# Altium PCB 400236.PcbDoc (part 1 of 4)
Units mil, origin at the board's own origin, x right, y up, seen from the top; angles counter-clockwise.
Board outline 5300 x 2500 mil, 4 copper layers (Top Layer, Mid-Layer 1, Mid-Layer 2, Bottom Layer), stack 59.252 mil thick; 300 components, 217 nets, 1310 pads, 1271 vias.
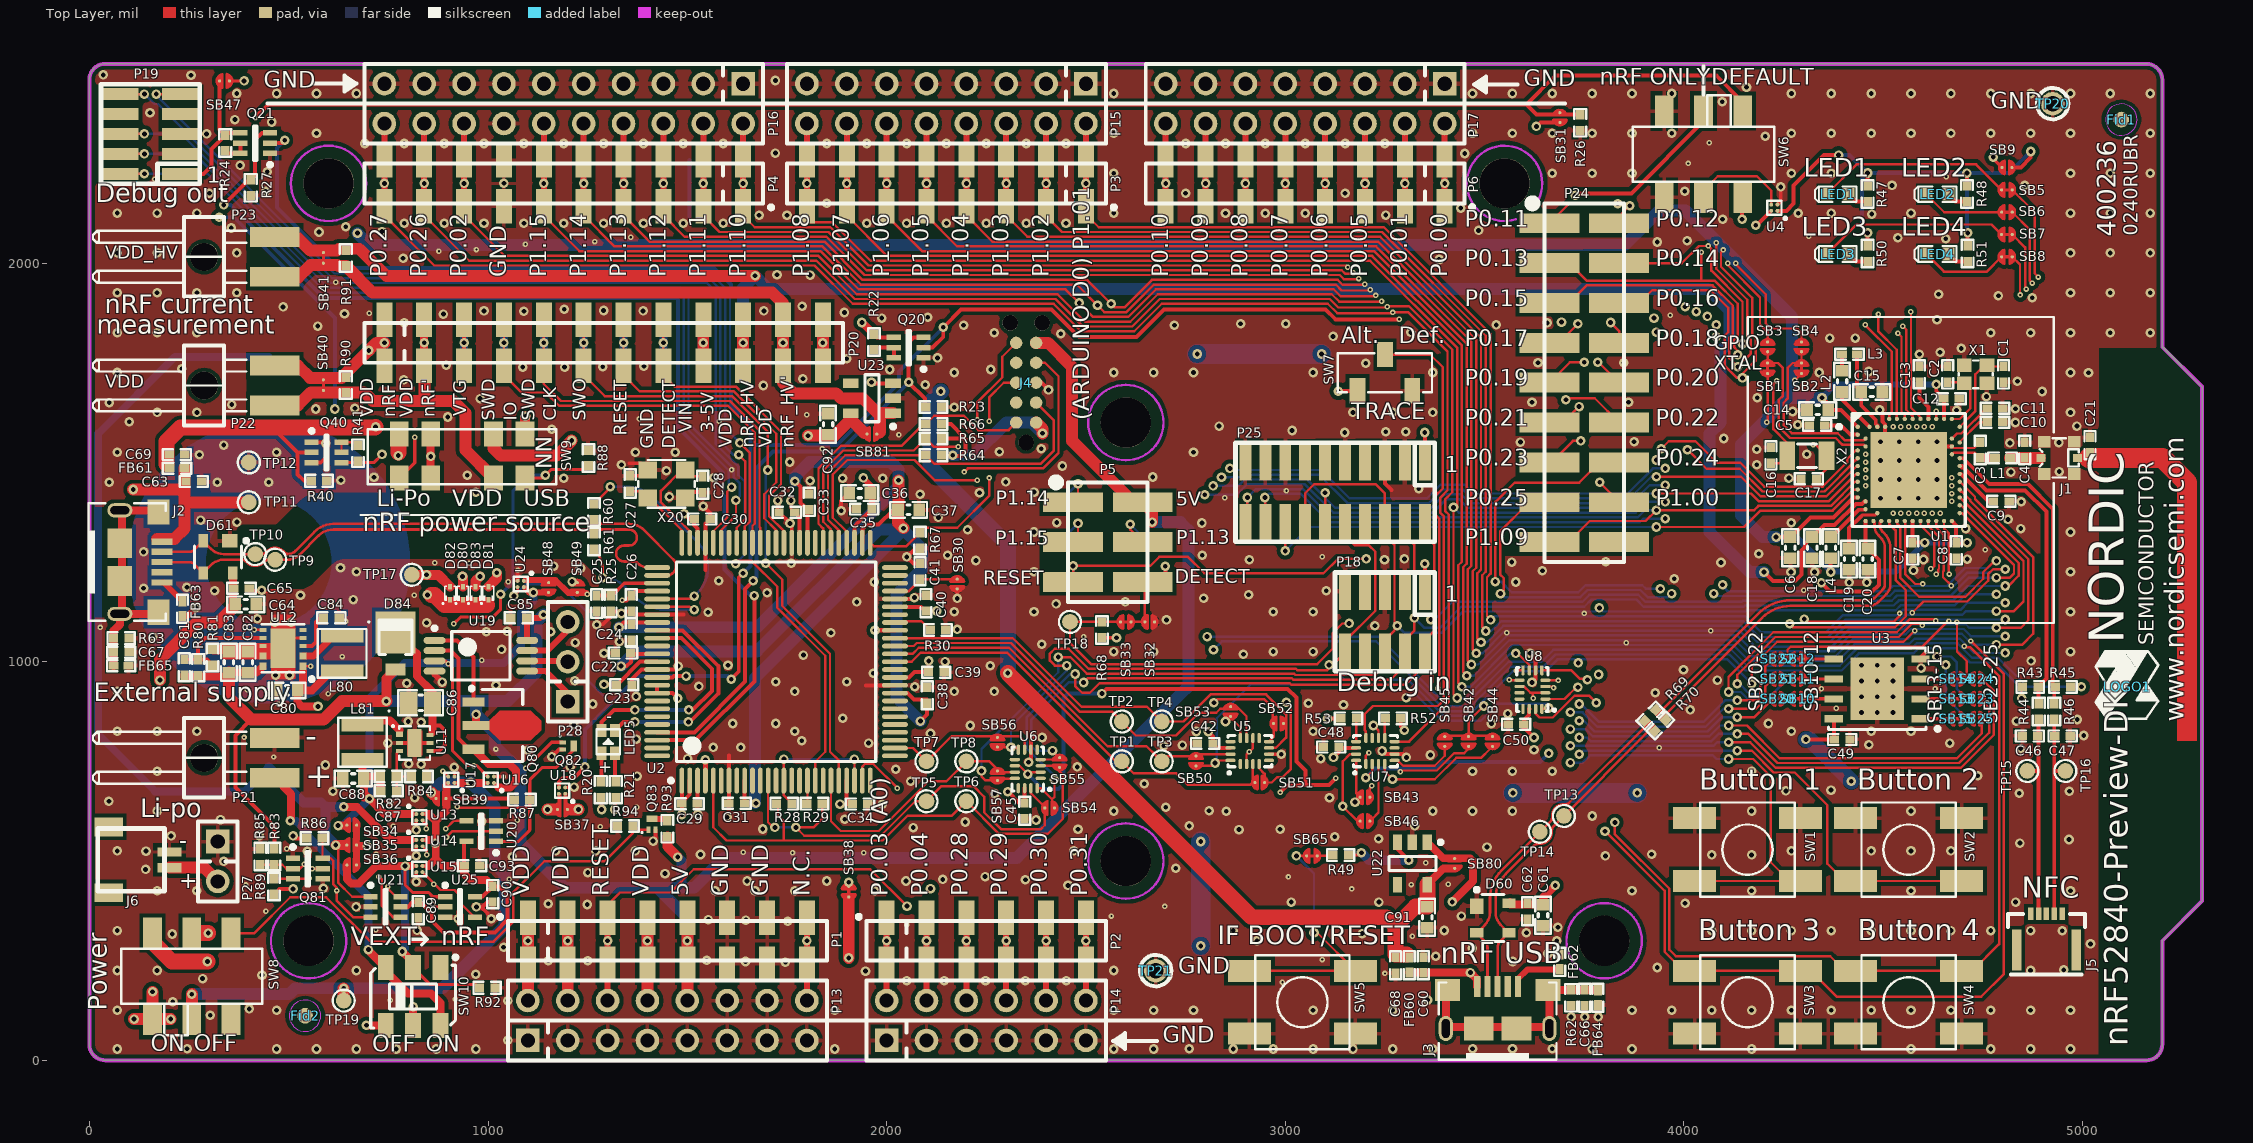
[diagram p0: Top Layer view]
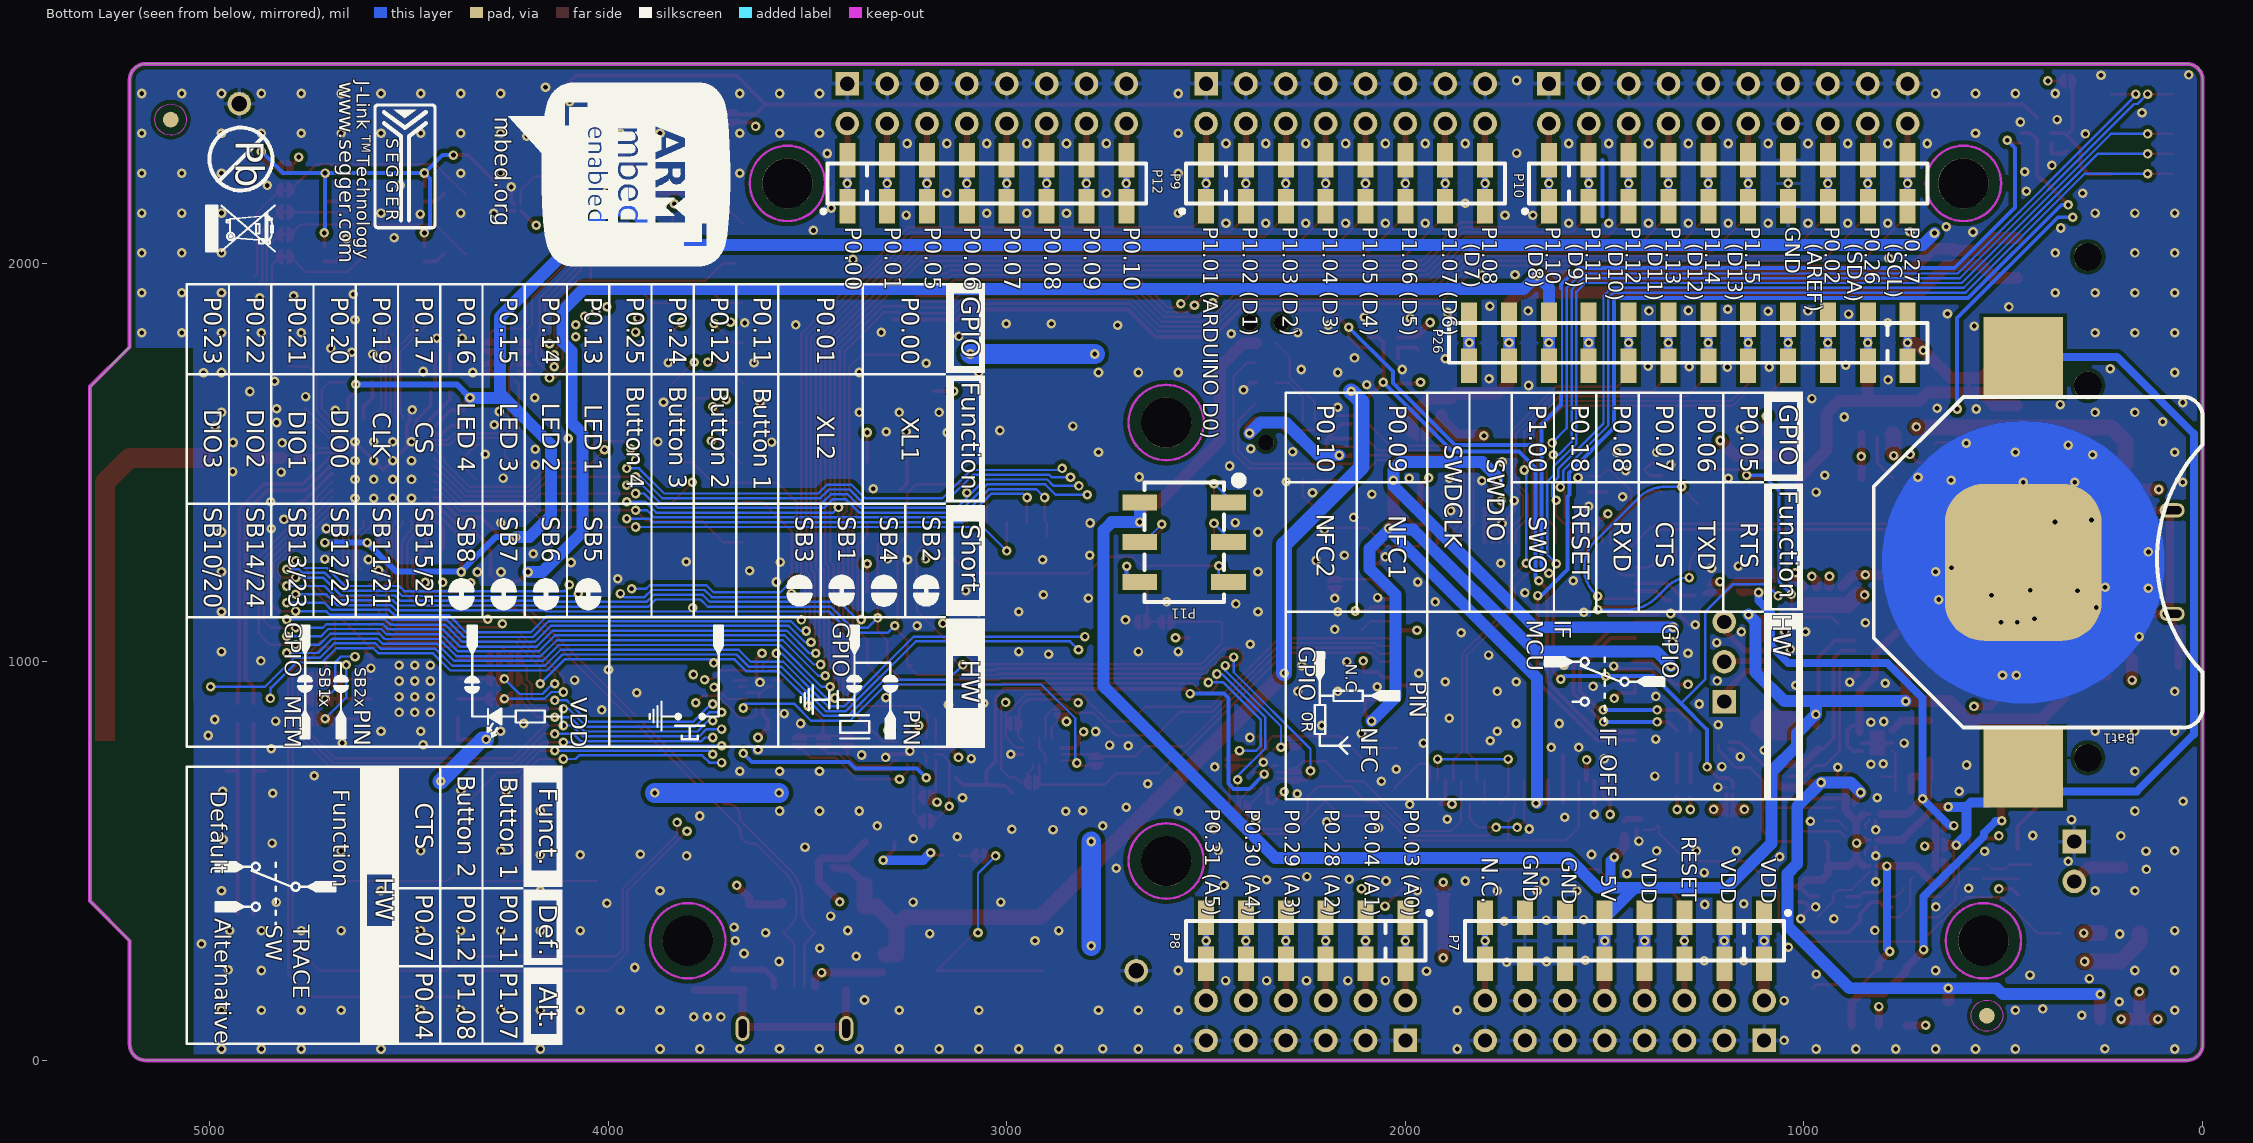
[diagram p1: Bottom Layer view, seen from below]
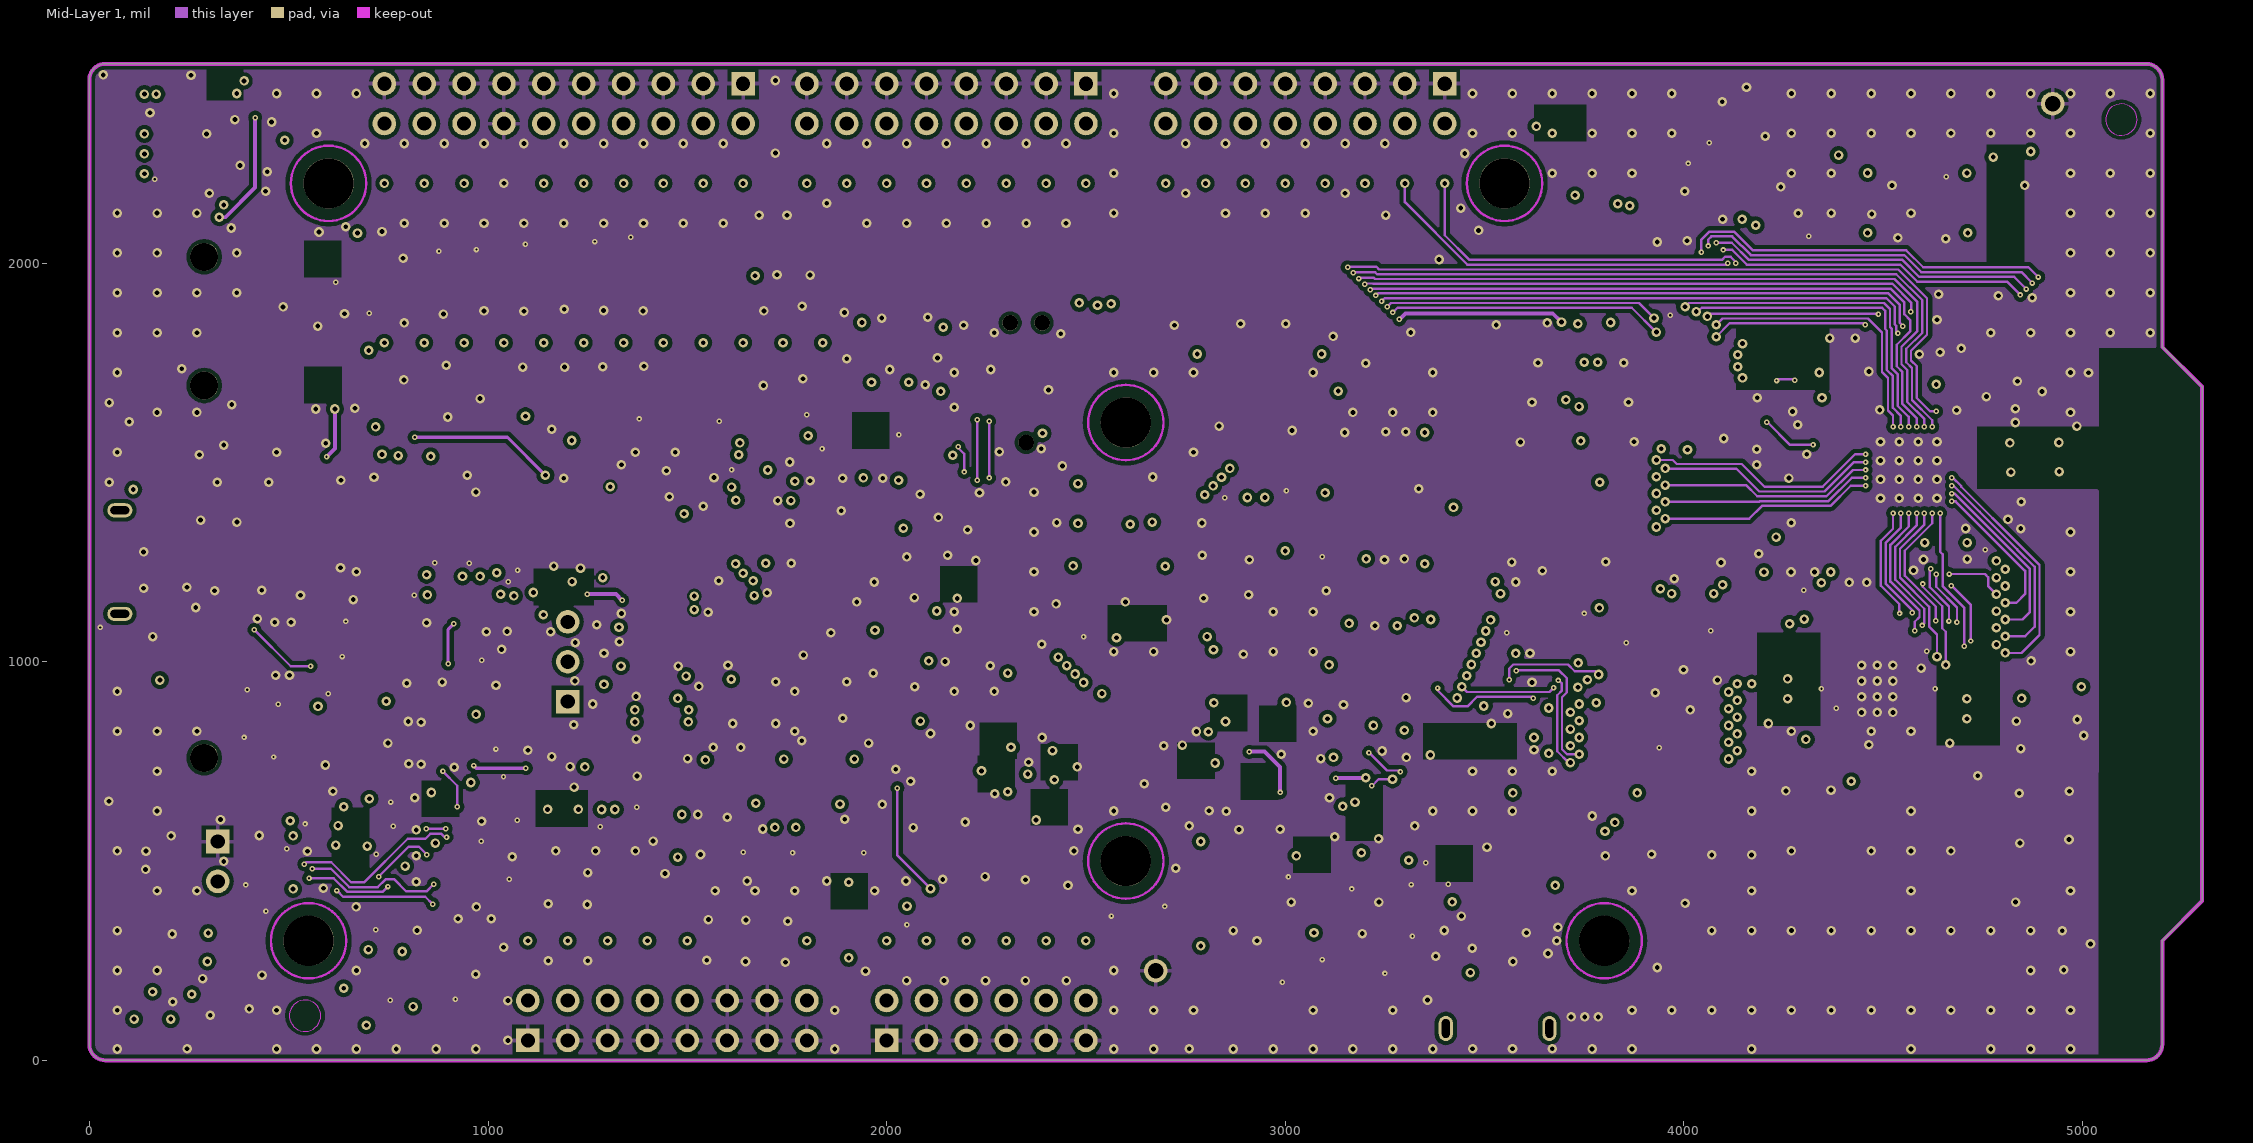
[diagram p2: Mid-Layer 1]
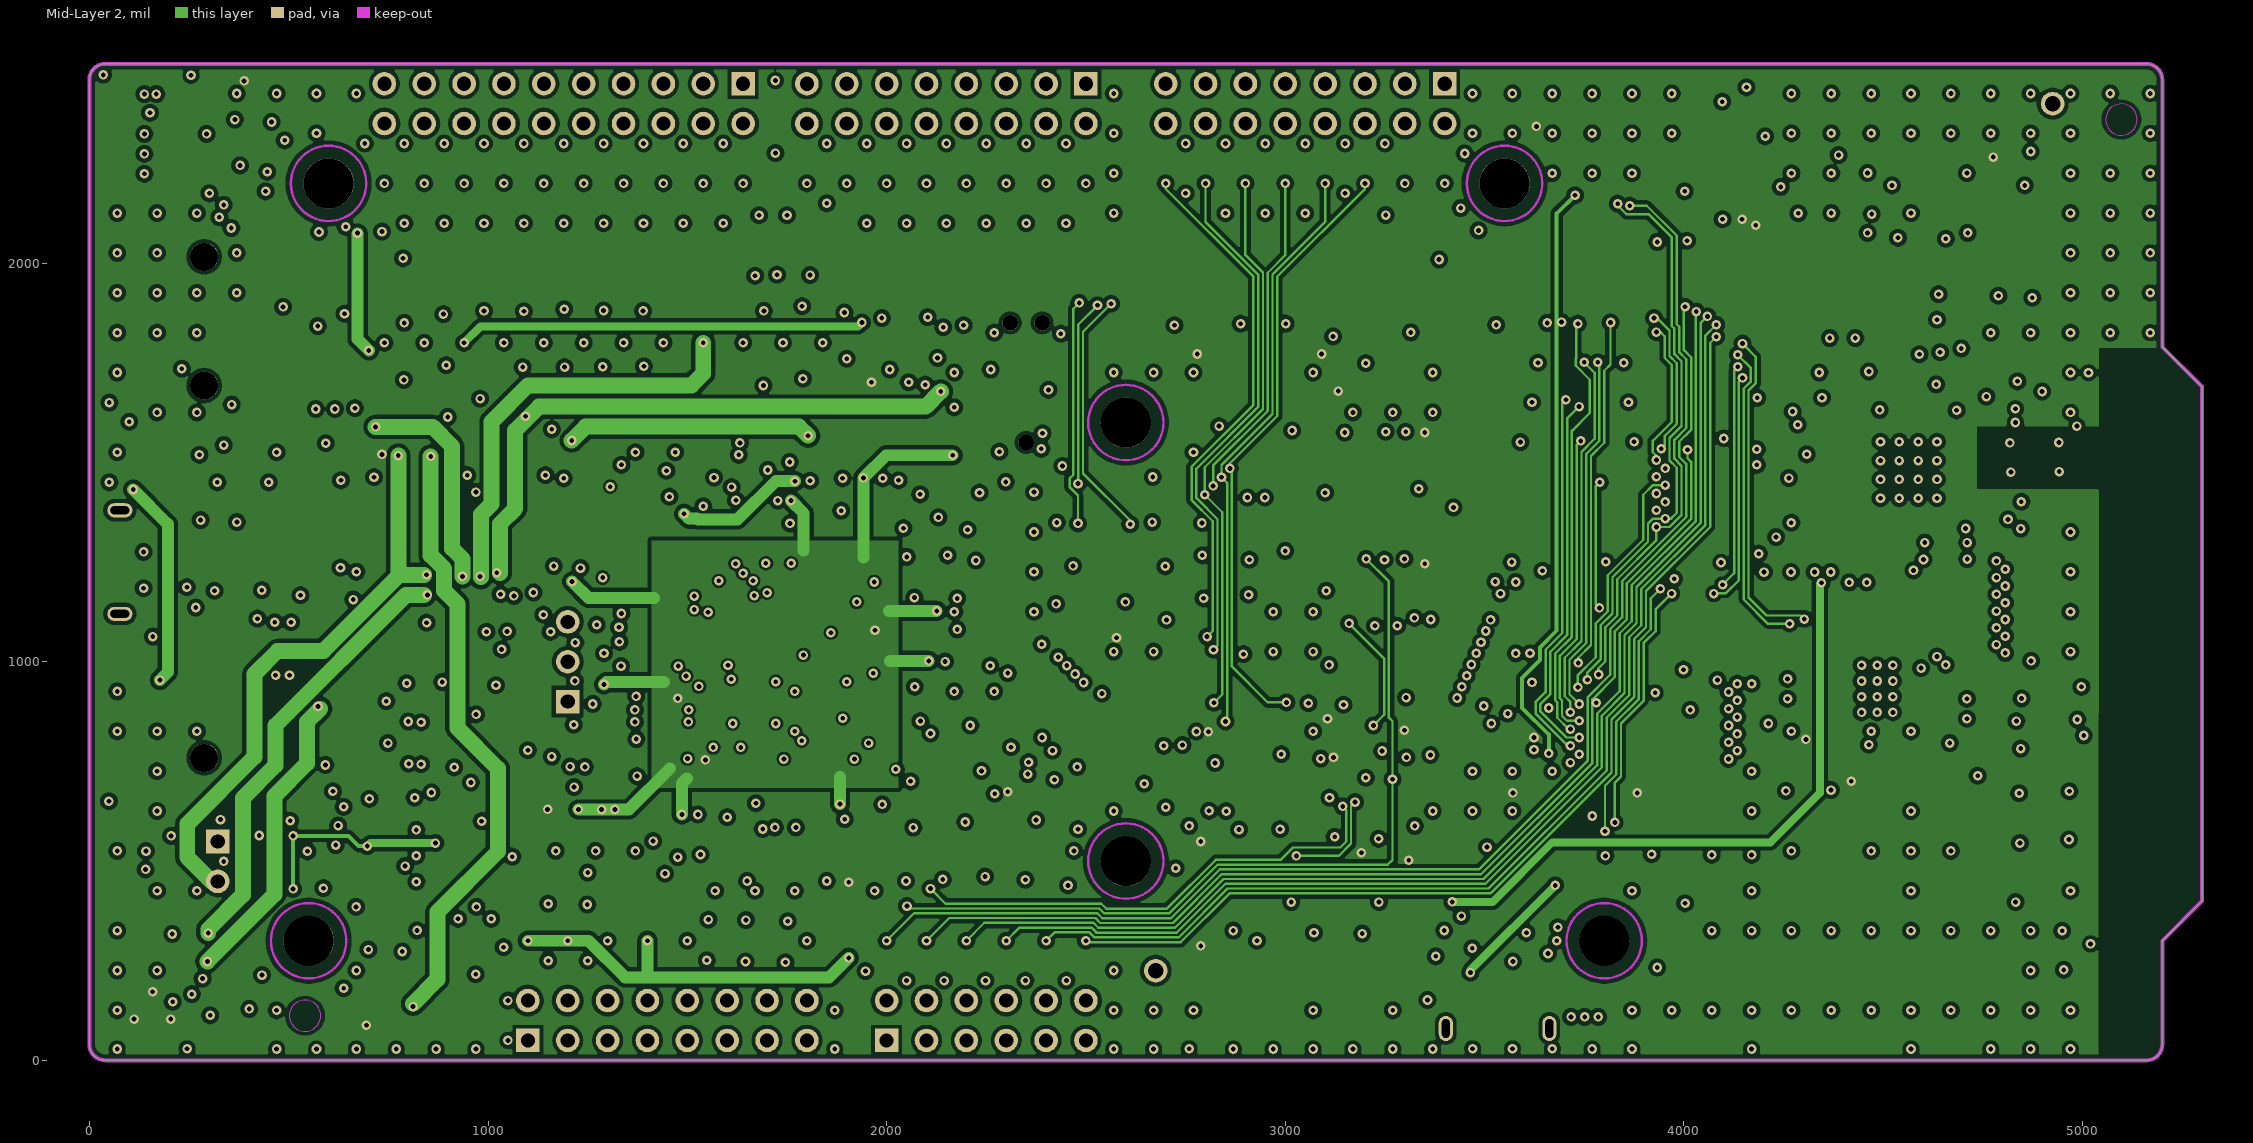
[diagram p3: Mid-Layer 2]
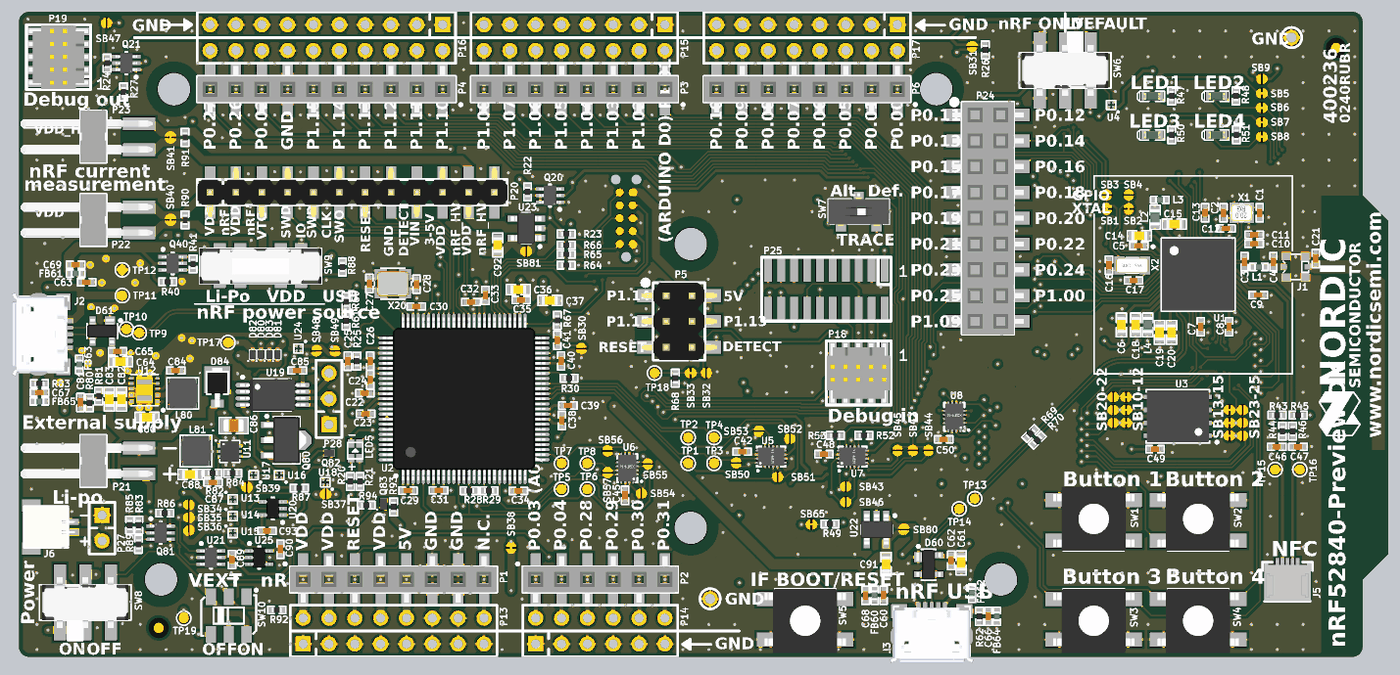
[diagram p7: 3D render of the assembled board from above, using the file's embedded part models]

## Layer stack, top to bottom
Top Solder: solder mask 1.8701, Solder Resist, Dk 3.5
Top Layer: signal copper 0.689
Dielectric1: prepreg 3.937, FR-4, Dk 3.72
Mid-Layer 1: signal copper 1.378
Dielectric2: core 47.2441, FR-4, Dk 3.72
Mid-Layer 2: signal copper 1.378
Dielectric3: prepreg 3.937, FR-4, Dk 3.72
Bottom Layer: signal copper 0.689
Bottom Solder: solder mask 1.8701, Solder Resist, Dk 3.5

## Board outline
0,40 0,2461 cw(c39.5,2460.5) 40,2500 5160,2500 cw(c5160,2460) 5200,2460 5200,1790 5300,1690 5300,400 5200,300 5200,40 cw(c5160.5,39.5) 5161,0 40,0 cw(c40,40)

## Design rules (kind name [scope] priority, off if disabled: settings)
Clearance USB_Poly_Clearance [(InNamedPolygon('Top_Layer-GND')) vs (OnLayer('Mechanical 3'))] p1: gap=10
Clearance "NPTH clearance" [Not PadIsPlated And HoleSize > 0] p2: gap=9
Clearance USB_Clearance [(InDifferentialPairClass('All Differential Pairs'))] p3: gap=6
Clearance ANT_Clerance [InNet('ANT') or InNet('RF')] p4: gap=8
Clearance Polygon_Clearance [(InNamedPolygon('Top_Layer-GND')) or (InNamedPolygon('Bottom_Layer-GND')) or (InNamedPolygon('Mid_Layer_1-GND')) or (InNamedPolygon('Mid_Layer_2-VDD'))] p5: gap=10
Clearance SB_Clearance [HasFootprint('Solderbridge') or HasFootprint('QFN40P180X140X55-10N')] p6: gap=5
Clearance CSP_Clearance [HasFootprint('BGA4C40P2X2_76X76X62')] p7: gap=5
Clearance P23_Clearance [HasFootprint('FPC_05P-0.5mm-RA-SMD')] p8: gap=5
Clearance PSON35P100X50-8N_Clearance [HasFootprint('PSON35P100X50-8N')] p9: gap=5.91
Clearance Top_layer_Clearance [All vs OnLayer('Top Layer')] p10: gap=5.71
Clearance [All] p11: gap=5.91
ComponentClearance [All] p1 off: gap=10 collisioncheckmode=3 verticalgap=10 showdistances=FALSE
DiffPairsRouting [All] p1: maxlimit=10 minlimit=7.5 mostfreqgap=7.6 toplayer_minwidth=6.5 toplayer_maxwidth=6.5 toplayer_prefwidth=6.5 midlayer1_minwidth=6.5 midlayer1_maxwidth=6.5 midlayer1_prefwidth=6.5 midlayer2_minwidth=6.5 midlayer2_maxwidth=6.5 midlayer2_prefwidth=6.5 bottomlayer_minwidth=6.5 bottomlayer_maxwidth=6.5 bottomlayer_prefwidth=6.5 maxuncoupledlength=500
FabricationTestPointUsage TestPointUsage [All] p1: valid=0 allowmultiple=FALSE
FabricationTestpoint Testpoint [All] p1: side=3 testpointundercomponent=TRUE minsize=40 maxsize=100 preferedsize=60 minholesize=0 maxholesize=40 preferedholesize=32 testpointgrid=1 allowsidetop=TRUE allowsidebottom=TRUE usegrid=TRUE gridtolerance=0.01
Height [All] p1 off: minheight=0 maxheight=1000 prefheight=500
HoleSize [All] p1: absolutevalues=TRUE maxlimit=196.85 minlimit=5.91 maxpercent=80.000 minpercent=20.000
MinimumAnnularRing [All] p1 off: minimumring=6
NetAntennae NetAntennae_ANT [InNet('ANT')] p1: netantennaetolerance=1574.8
NetAntennae [All] p2: netantennaetolerance=0
PolygonConnect PolygonConnect_1 [isVia and innet(gnd) or isVia and innet('VDD') or HasFootprint('COAXIAL-SWF') or isVia and innet('VDD_SAM')] p1: connectstyle=Direct reliefconductorwidth=10 reliefentries=4 polygonreliefangle="90 Angle" airgapwidth=10
PolygonConnect [All] p2: connectstyle=Relief reliefconductorwidth=10 reliefentries=4 polygonreliefangle="90 Angle" airgapwidth=10
RoutingVias [All] p1: holewidth=12 width=24 viastyle="Through Hole" minholewidth=5.91 minwidth=13.78 maxholewidth=12 maxwidth=24
SilkToSolderMaskClearance SilkscreenOverComponentPads [IsPad] p1: minsilkscreentomaskgap=10 clearancetoexposedcopper=TRUE
SolderMaskExpansion [All] p1: expansion=3
UnpouredPolygon [All] p1 off:
Width Width_Diff [(InDifferentialPairClass('All Differential Pairs'))] p1: maxlimit=6.5 minlimit=6.5 preferedwidth=6.5
Width [All] p2: maxlimit=400 minlimit=5.71 preferedwidth=6 midlayer1_minwidth=6 midlayer2_minwidth=6 bottomlayer_minwidth=6 minimp=50.000000 maximp=50.000000 favimp=50.000000
21 further rules are at their usual default settings.

## Classes and differential pairs
differential pair D: +D_P -D_N
differential pair D*: +D*_P -D*_N
differential pair DHSD: +DHSD_P -DHSD_N
differential pair DFSD: +DFSD_P -DFSD_N

## Components (designator, comment, footprint, x,y, rotation, side; value= is the part's Value field where it differs from the comment)
Bat1 "Bat Holder CR2032" CR2032_HOLDER_SMD 450,1249.4 r270 bottom locked
C1 "12pF" CAPC1005X04L 4801.76,1720.98 r270 top
C2 "12pF" CAPC1005X04L 4661.76,1720.98 r90 top
C3 "0.8pF" CAPC1005X04L 4743.2,1531.21 r270 top
C4 "0.5pF" CAPC1005X04L 4855,1531.2 r270 top
C5 "100nF" CAPC1005X04L 4334.08,1592.73 r180 top
C6 "4.7µF" CAPC1608X06L 4266.72,1286.12 r270 top
C7 "100nF" CAPC1005X04L 4573.84,1279.23 r270 top
C8 "100nF" CAPC1005X04L 4683.09,1279.23 r270 top
C9 "N.C." CAPC1005X04L 4796.28,1402.26 r0 top
C10 "N.C." CAPC1005X04L 4780.53,1601.08 r180 top
C11 "100pF" CAPC1005X04L 4780.53,1635.53 r0 top
C12 "100nF" CAPC1005X04L 4671.28,1660.13 r0 top
C13 "N.C." CAPC1005X04L 4590.57,1721.16 r90 top
C14 "1.0µF" CAPC1608X06L 4335.65,1631.65 r180 top
C15 "1.0µF" CAPC1608X06L 4471.48,1676.87 r180 top
C16 "12pF" CAPC1005X04L 4218.39,1517.73 r270 top
C17 "12pF" CAPC1005X04L 4313.39,1458.73 r0 top
C18 "4.7µF" CAPC1608X06L 4321.87,1286.12 r270 top
C19 "4.7µF" CAPC1608X06L 4414.39,1257.57 r270 top
C20 "4.7µF" CAPC1608X06L 4460.65,1257.57 r270 top
C21 "1.2pF" CAPC1005X04L 5018.67,1543.46 r90 top
C22 "100nF" CAPC1005X04L 1338.61,1022 r0 top
C23 "100nF" CAPC1005X04L 1341.61,942 r180 top
C24 "100nF" CAPC1005X04L 1359.61,1074 r90 top
C25 "10pF" CAPC1005X04L 1272.61,1146 r90 top
C26 "100nF" CAPC1005X04L 1359.61,1146 r90 top
C27 "18pF" CAPC1005X04L 1356.61,1447 r90 top
C28 "18pF" CAPC1005X04L 1538.61,1444 r270 top
C29 "100nF" CAPC1005X04L 1505.61,644 r180 top
C30 "100nF" CAPC1005X04L 1537.61,1358 r0 top
C31 "100nF" CAPC1005X04L 1624,645 r0 top
C32 "100nF" CAPC1005X04L 1749.61,1375 r0 top
C33 "100nF" CAPC1005X04L 1805.61,1401 r270 top
C34 "100nF" CAPC1005X04L 1933,643 r180 top
C35 "100nF" CAPC1005X04L 1943.61,1383 r0 top
C36 "10µF" CAPC1608X06L 1932.61,1423 r0 top
C37 "10µF" CAPC1608X06L 2055,1381 r180 top
C38 "100nF" CAPC1005X04L 2101.61,916 r270 top
C39 "100nF" CAPC1005X04L 2124.61,974 r180 top
C40 "100nF" CAPC1005X04L 2098.61,1147 r270 top
C41 "10nF" CAPC1005X04L 2083.61,1227 r270 top
C42 "100nF" CAPC1005X04L 2799,795 r0 top
C45 "100nF" CAPC1005X04L 2346,626 r90 top
C46 "300pF" CAPC1005X04L 4868,813.73 r180 top
C47 "300pF" CAPC1005X04L 4950,813.73 r180 top
C48 "100nF" CAPC1005X04L 3115,786 r0 top
C49 "100nF" CAPC1005X04L 4397,805 r180 top
C50 "100nF" CAPC1005X04L 3579,843 r0 top
C60 "10nF" CAPC1005X04L 3346.27,239.03 r270 top
C61 "10µF" CAPC1608X06L 3646.57,364.03 r90 top
C62 "100nF" CAPC1005X04L 3607.57,374.03 r90 top
C63 "10nF" CAPC1005X04L 262,1452 r0 top
C64 "10µF" CAPC1608X06L 392.61,1144 r180 top
C65 "100nF" CAPC1005X04L 381.61,1184 r180 top
C66 "100nF" CAPC1005X04L 3751.25,157.11 r90 top
C67 "100nF" CAPC1005X04L 79.84,1024 r180 top
C68 "100nF" CAPC1005X04L 3276.5,238.5 r90 top
C69 "100nF" CAPC1005X04L 219.6,1519.7 r180 top
C80 "10µF" CAPC1608X06L 496,928 r0 top
C81 "15pF" CAPC1005X04L 238,986 r270 top
C82 "10µF" CAPC1608X06L 397,999 r270 top
C83 "10µF" CAPC1608X06L 350,999 r270 top
C84 "470nF" CAPC1005X04L 607,1110 r180 top
C85 "100nF" CAPC1005X04L 1077,1110 r0 top
C86 "4.7µF" CAPC2012X11L 831,897 r0 top
C87 "150pF" CAPC1005X04L 751,676 r180 top
C88 "10µF" CAPC1608X06L 662,707 r0 top
C89 "100nF" CAPC1005X04L 825,377 r90 top
C90 "100nF" CAPC1005X04L 1012,417 r90 top
C91 "1.0µF" CAPC1608X06L 3356,359 r90 top
C92 "1.0µF" CAPC1608X06L 1853,1596 r270 top
C93 "100nF" CAPC1005X04L 960,488 r180 top
D60 "PRTR5V0U2X" SOT190P230X110-4L 3520.76,357.08 r0 top
D61 "PRTR5V0U2X" SOT190P230X110-4L 322.61,1263 r270 top
D80 "NSR0620P2T5G" SODFL100X40-2N 937,1171.87 r90 top
D81 "NSR0620P2T5G" SODFL100X40-2N 1001,1171.87 r90 top
D82 "NSR0620P2T5G" SODFL100X40-2N 905,1171.87 r90 top
D83 "NSR0620P2T5G" SODFL100X40-2N 969,1171.87 r90 top
D84 "MBRM110E" DO-216AA 768,1046 r270 top
FB60 "120R/0.55A" INDC1005X04L 3311.27,239.03 r90 top
FB61 "120R/0.55A" INDC1005X04L 219.9,1485.6 r180 top
FB62 "120R/0.55A" INDC1005X04L 3688.57,247.03 r90 top
FB63 "120R/0.55A" INDC1005X04L 233.57,1133.03 r270 top
FB64 "120R/0.55A" INDC1005X04L 3784.25,157.11 r270 top
FB65 "120R/0.55A" INDC1005X04L 79.57,989.73 r0 top
Fid1 "Fiducial mark" Fiducial 5097.28,2360 r180 top
Fid2 "Fiducial mark" Fiducial 541.05,112 r0 top
J1 "MM8130-2600" COAXIAL-SWF 4941.67,1511.46 r90 top
J2 "MicroUSB-B" USB-Micro-B-RA-SMD-PiP 181.84,1250 r0 top
J3 "MicroUSB-B" USB-Micro-B-RA-SMD-PiP 3532.65,185.35 r90 top
J4 "TC2050-IDC" TC2050-IDC-NLFP 2350,1700 r90 top
J5 "FPC 0.5mm RA SMD" FPC_05P-0.5mm-RA-SMD 4869.99,367.25 r0 top
J6 "HDR-2, 1mm" SM02B-SRSS-TB 201,503 r270 top
L1 "3.3nH" INDC1005X04L 4799.2,1511.21 r0 top
L2 "10µH" INDC1608X06L 4396.68,1703.44 r270 top
L3 "15nH" INDC1005X04L 4415.38,1771.35 r180 top
L4 "10µH" INDC1608X06L 4368.13,1286.12 r90 top
L80 "2.2µH" TY-NR3015 634,1021 r270 top
L81 "4.7µH" TY-NR3015 685,798 r270 top
LED1 "L0603G" LED_0603_G 4385.83,2172.73 r0 top
LED2 "L0603G" LED_0603_G 4635.83,2172.73 r0 top
LED3 "L0603G" LED_0603_G 4385.83,2022.73 r0 top
LED4 "L0603G" LED_0603_G 4635.83,2022.73 r0 top
LED5 "LED RG" LED_DUAL_0606 1301.61,799 r180 top
LOGO1 "Nordic Logo M" NORDIC_LOGO_M 5112,937 r90 top
P1 "Socket 1x8" SOCKET_1x8_SMD 1100,300 r0 top locked
P2 "Socket 1x6" SOCKET_1x6_SMD 2000,300 r0 top locked
P3 "Socket 1x8" SOCKET_1x8_SMD 2500,2200 r180 top locked
P4 "Socket 1x10" SOCKET_1x10_SMD 1640,2200 r180 top locked
P5 "Pin Hdr 2x3" HDR_2x3-SMD 2555,1300 r270 top locked
P6 "Socket 1x8" SOCKET_1x8_SMD 3400,2200 r180 top locked
P7 "Pin List 1x8" LIST_1x8_SMD 1100,300 r0 bottom locked
P8 "Pin List 1x6" LIST_1x6_SMD 2000,300 r0 bottom locked
P9 "Pin List 1x8" LIST_1x8_SMD 2500,2200 r180 bottom locked
P10 "Pin List 1x10" LIST_1x10_SMD 1640,2200 r180 bottom locked
P11 "Socket 2x3" SOCKET_2x3_SMD-2.54mm-bottom 2555,1300 r270 top locked
P12 "Pin List 1x8" LIST_1x8_SMD 3400,2200 r180 bottom locked
P13 "Pin Header 2x8" HDR_2x8 1450,100 r0 top locked
P14 "Pin Header 2x6" HDR_2x6 2250,100 r0 top locked
P15 "Pin Header 2x8" HDR_2x8 2150,2400 r180 top locked
P16 "Pin Header 2x10" HDR_2x10 1190,2400 r180 top locked
P17 "Pin Header 2x8" HDR_2x8 3050,2400 r180 top locked
P18 "Pin Header 2x5, 1.27mm" HDR_2x5-SMD-1.27mm-K 3250,1100 r180 top locked
P19 "Pin Header 2x5, 1.27mm" HDR_2x5-SMD-1.27mm-K 152.99,2324 r90 top
P20 "Pin List 1x12" LIST_1x12_SMD 740,1800 r0 top locked
P21 "Pin List 1x2, Angled" LIST_ANG_1x2-SMD-2.54MM 464.99,759 r270 top
P22 "Pin List 1x2, Angled" LIST_ANG_1x2-SMD-2.54MM 464.99,1692.91 r270 top
P23 "Pin List 1x2, Angled" LIST_ANG_1x2-SMD-2.54MM 464.99,2015.75 r270 top
P24 "Socket 2x9" SOCKET_2x9_SMD-2.54mm 3750,1700 r270 top locked
P25 "Pin Header 2x10, 1.27mm" HDR_2x10-SMD-1.27mm-K 3125,1425 r180 top locked
P26 "Socket 1x12" SOCKET_1x12_SMD 740,1800 r0 bottom locked
P27 "Pin List 1x2" LIST_1x2 322,499 r270 top locked
P28 "Pin List 1x3" LIST_1x3 1200,1000 r90 top locked
Q20 "FDG6321C" SOT65P210X100-6N 2055.33,1788 r180 top
Q21 "FDG6321C" SOT65P210X100-6N 416,2301 r180 top
Q40 "FDG6321C" SOT65P210X100-6N 595,1525 r0 top
Q80 "FCX690BTA" SOT89-150P409X160-3N 1035,840 r0 top
Q81 "FDG6303N" SOT65P210X100-6N 548,481 r0 top
Q82 "RV2C010UNT2L" DFN65P100X40-3L 1201,789 r0 top
Q83 "RV2C010UNT2L" DFN65P100X40-3L 1411,592 r90 top
R20 "220R" RESC1005X04L 1282.87,679 r270 top
R21 "220R" RESC1005X04L 1320.34,679 r270 top
R22 "10k" RESC1005X04L 1968.33,1802 r270 top
R23 "10k" RESC1005X04L 2118,1639 r180 top
R24 "10k" RESC1005X04L 341,2301 r270 top
R25 "6k8" RESC1005X04L 1307.61,1146 r90 top
R26 "47k" RESC1005X04L 3740,2352 r270 top
R27 "10k" RESC1005X04L 405,2189 r90 top
R28 "150R" RESC1005X04L 1743,644 r180 top
R29 "150R" RESC1005X04L 1819,644 r0 top
R30 "1k" RESC1005X04L 2128.61,1080 r180 top
R40 "150k" RESC1005X04L 576,1454 r0 top
R41 "1M0" RESC1005X04L 674,1523 r90 top
R43 "N.C." RESC1005X04L 4868.84,937 r0 top
R44 "0R" RESC1005X04L 4890,875 r90 top
R45 "N.C." RESC1005X04L 4950.84,937 r180 top
R46 "0R" RESC1005X04L 4929,875 r90 top
R47 "220R" RESC1005X04L 4460.84,2173.73 r90 top
R48 "220R" RESC1005X04L 4709.84,2173.73 r90 top
R49 "10k" RESC1005X04L 3139,515 r0 top
R50 "220R" RESC1005X04L 4460.84,2023.73 r90 top
R51 "220R" RESC1005X04L 4711.84,2023.73 r90 top
R52 "4k7" RESC1005X04L 3270,858 r180 top
R53 "4k7" RESC1005X04L 3159,858 r0 top
R60 "39R" RESC1005X04L 1266.01,1375.94 r270 top
R61 "39R" RESC1005X04L 1266.02,1301.7 r90 top
R62 "10k" RESC1005X04L 3717.25,157.11 r90 top